# Altium PCB LimeSDR_Mini_1v1_Rounded.PcbDoc (part 2 of 5) (continued)
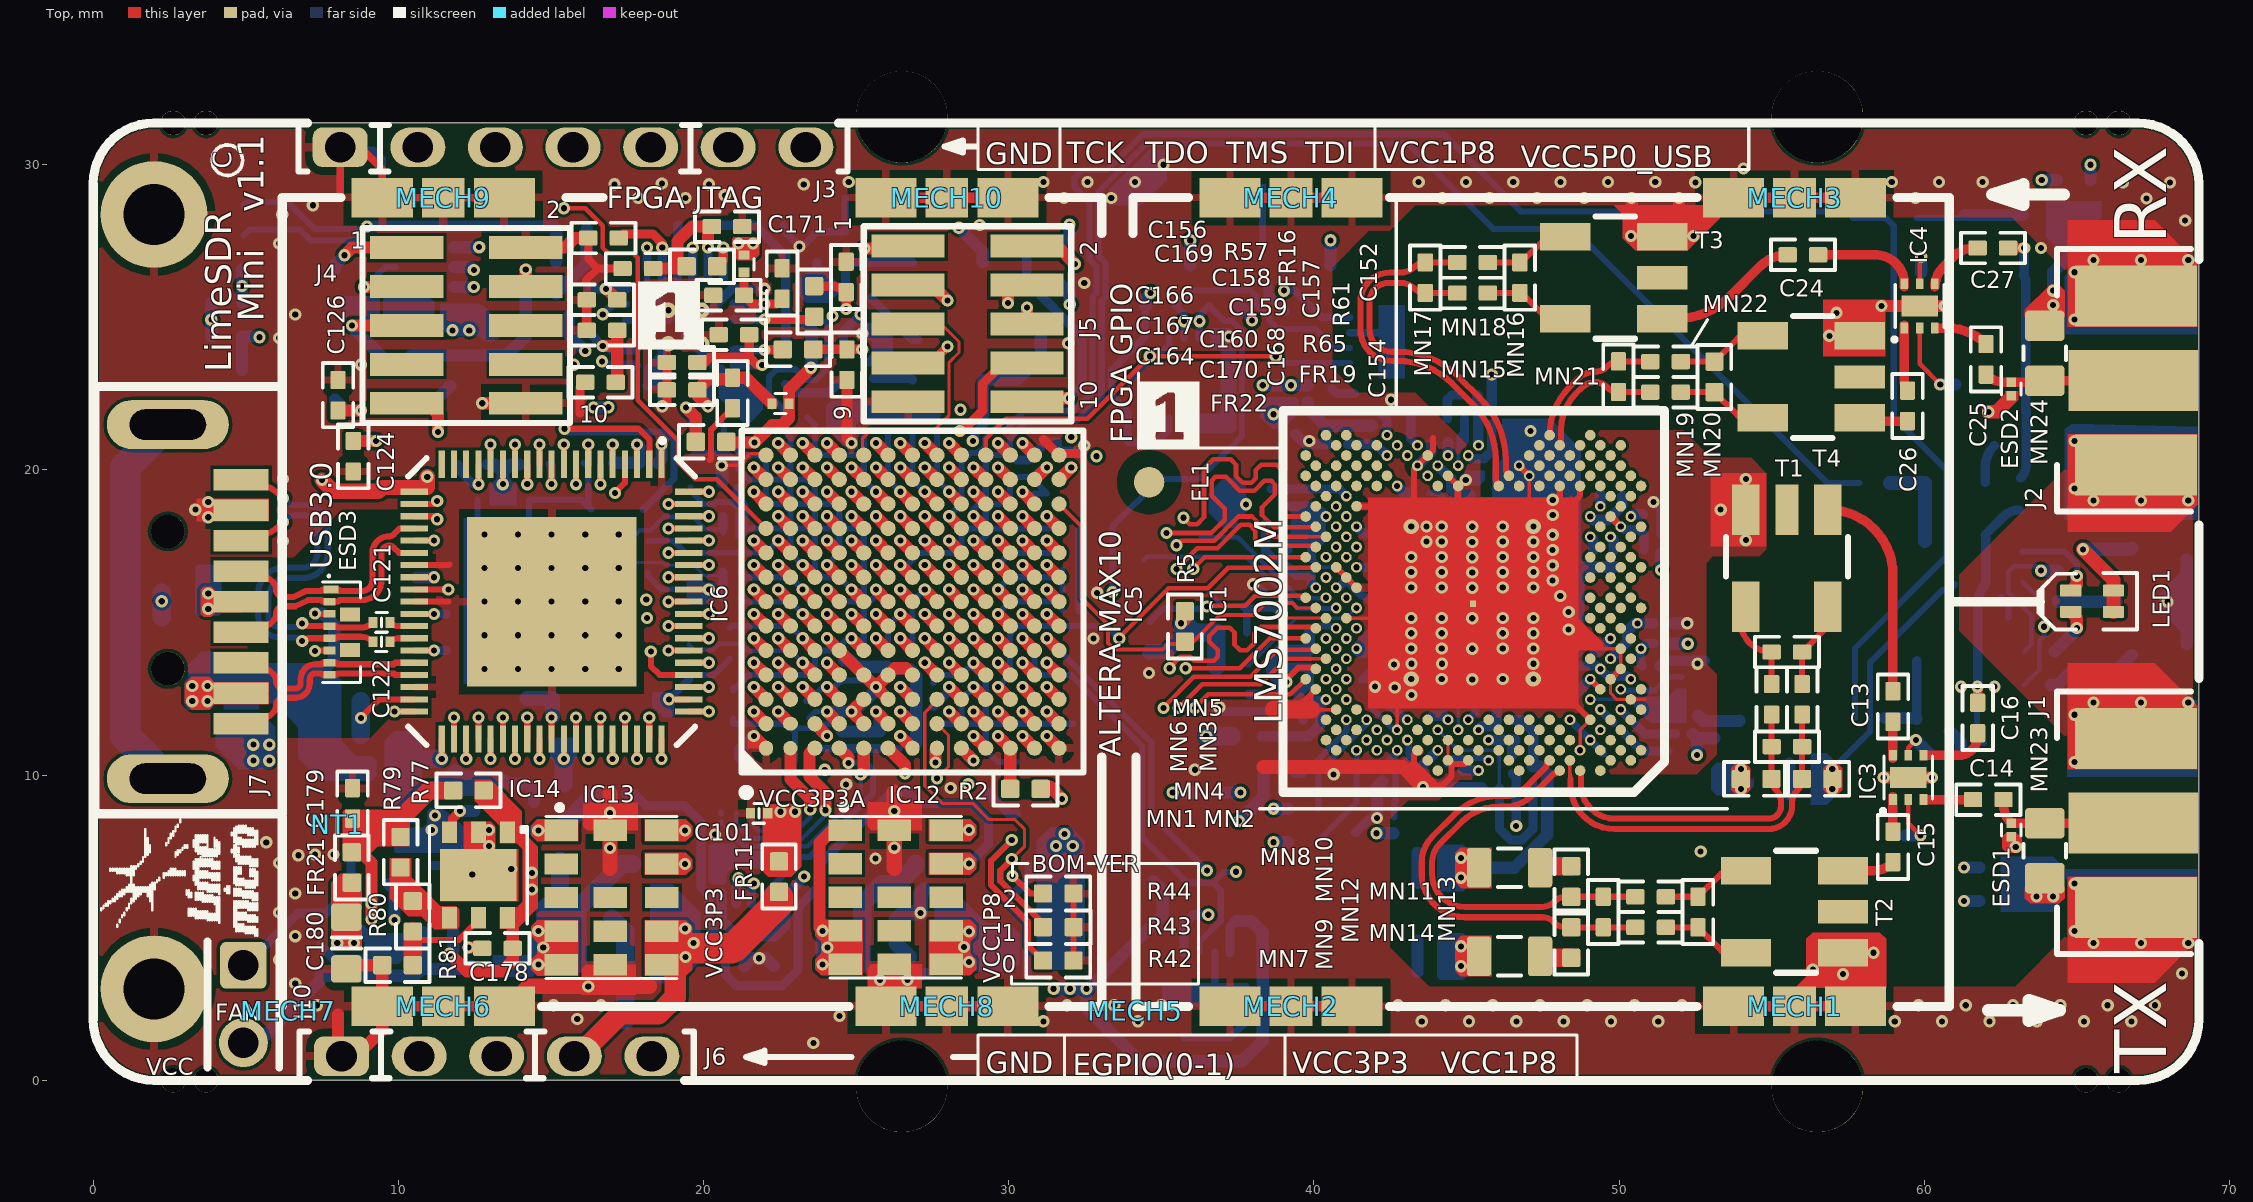
[diagram p0: Top view]
## Nets (pads, with @x,y where several pads share a name; then routed paths per layer and width w, separated by ;. In a path a pad name is that pad's centre, name@x,y a point inside that pad or via, vN(x,y) a via of type N, cw(c..) or ccw(c..) an arc to the next point about the centre after c; other vN are vias at no path point) (continued)
  Bottom w0.2: R46.2@20.675,21.475 20.675,21.065 21.255,20.485 21.816,20.485 22.05,20.251 22.05,19.919 22.284,19.685 22.616,19.685 22.85,19.451 22.85,19.119 23.084,18.885 23.416,18.885 23.65,18.651 23.65,18.275 23.84,18.085 24.216,18.085 24.45,17.851 24.45,17.285 v2(24.05,16.885)
  Bottom w0.4: v1(63.825,16.7) R73.2@64.375,16.7
FPGA_LED_R: IC5.B9 R45.2 R72.2 R75.2 | length 77.9
  Top w0.4: v2(22.45,17.685) IC5.B9@22.85,17.285
  L4 w0.1: v1(32.875,20.45) 34.308,20.45 38.308,24.45 55.792,24.45 63.175,17.067 63.175,15.612 v1(63.925,14.863)
  L5 w0.1: v1(15.75,23.45) 16.25,22.95 17.05,22.95 17.55,22.45 17.55,22.15 18.25,21.45 18.725,21.45 19.3,20.875 19.3,19.425 19.8,18.925 20.675,18.925 21.45,18.15 21.985,18.15 v2(22.45,17.685)
  L6 w0.1: v1(15.75,23.45) 15.45,23.75 15.45,24.26 15.725,24.535 22.29,24.535 22.925,23.9 23.825,23.9 24.35,23.375 24.35,22.925 25,22.275 26.05,22.275 26.3,22.025 27.525,22.025 28.025,22.525 31.25,22.525 32.875,20.9 v1(32.875,20.45)
  Bottom w0.15: R72.2@63.225,16.325 63.775,15.775 63.775,15.325 63.925,15.175 v1(63.925,14.863) 63.925,14.55 63.775,14.4 63.775,13.461 R75.2@63.264,12.95
  Bottom w0.19: R45.2@18.175,17.65 18.205,17.68 19.014,17.68 19.409,17.285 22.05,17.285
  Bottom w0.2: 22.05,17.285 v2(22.45,17.685)
FPGA_QSPI_FLASH_SS: IC5.E1 IC11.1 | length 7.2
  Top w0.4: v1(25.15,10.019) 25.25,10.119 IC5.E1@25.25,10.885
  Bottom w0.15: IC11.1@20.575,8.492 20.575,8.417 21.317,7.675 23.408,7.675 25.15,9.417 v1(25.15,10.019)
  Bottom w0.2: IC11.1@20.575,8.75 IC11.1@20.575,8.775
FPGA_QSPI_IO0: IC5.D1 IC11.5 | length 7.5
  Top w0.4: IC5.D1@24.45,10.885 24.75,10.585 v1(24.75,10.4)
  Bottom w0.2: IC11.5@22.075,5.775 22.075,6.175 23.225,7.325 23.482,7.325 25.55,9.393 25.55,10.185 25.316,10.419 24.769,10.419 v1(24.75,10.4)
FPGA_QSPI_IO1: IC5.C1 IC11.2 | length 6.2
  Top w0.4: IC5.C1@23.65,10.885 23.475,10.71 23.475,9.95 24,9.425 v1@24,8.9
  Bottom w0.15: IC11.2@21.075,8.775 21.075,8.4 21.55,7.925 23.233,7.925 24,8.692 v1(24,8.85)
FPGA_QSPI_IO2: IC5.B1 IC11.3 | length 5.1
  Top w0.4: IC5.B1@22.85,10.885 22.85,9.868 23.5,9.218 v1(23.5,8.875)
  Bottom w0.15: IC11.3@21.575,8.775 21.575,8.4 21.8,8.175 23.059,8.175 23.5,8.616 v1(23.5,8.875)
FPGA_QSPI_IO3: IC5.H1 IC11.7 | length 10.6
  Top w0.4: v2@27.6,10.45 27.6,10.835 IC5.H1@27.65,10.885
  L4 w0.1: v1(21.15,6.625) 21.15,6.455 21.63,5.975 23.558,5.975 24.4,6.817 24.4,7.476 26.099,9.175 26.3,9.175 26.95,9.825 26.95,10.15 27.219,10.419 v2(27.6,10.419)
  Bottom w0.3: IC11.7@21.075,5.775 21.075,6.55 v1(21.15,6.625)
FPGA_QSPI_SCLK: IC5.F1 IC11.6 | length 8.9
  Top w0.4: IC5.F1@26.05,10.885 26.6,10.335 v1(26.6,10.05)
  L4 w0.1: v1(21.65,6.45) 21.925,6.175 23.475,6.175 24.2,6.9 24.2,7.559 26.6,9.959 v1(26.6,10.05)
  Bottom w0.3: IC11.6@21.575,5.775 21.575,6.375 v1(21.65,6.45)
FPGA_SPI_DAC_SS: IC5.K8 IC9.1 | length 26.8
  Top w0.4: v2(28.85,16.885) IC5.K8@29.25,16.485
  L4 w0.1: v1(12.65,27.3) 17.35,27.3 18.515,26.135 19.807,26.135 21.557,24.385 23.51,24.385 25.395,22.5 27.475,22.5 28,21.975 v1(28.425,21.975)
  L5 w0.1: v1(28.425,21.975) 29.15,21.975 30,21.125 30,20.74 30,20.675 29.775,20.45 29.425,20.45 29.25,20.275 29.25,19.875 29.05,19.675 28.65,19.675 28.45,19.475 28.45,17.525 28.85,17.125 v2(28.85,16.885)
  Bottom w0.4: IC9.1@11.825,27.3 v1(12.65,27.3)
FPGA_SPI_LMS_SS: IC5.J5 R9.2 | length 12.3
  Top w0.4: v2(28.05,14.485) IC5.J5@28.45,14.085
  L4 w0.1: v2(28.05,14.485) 28.435,14.1 28.93,14.1 29.225,13.805 29.225,11.1 29.95,10.375 34.428,10.375 v1(35.375,9.428)
  Bottom w0.4: v1(35.375,9.428) R9.2@36.1,9.428
FPGA_SPI_MISO: IC5.J6 R8.2 | length 18.3
  Top w0.4: v2(28.05,15.285) IC5.J6@28.45,14.885
  L4 w0.1: v2(28.05,15.285) 27.6,14.835 27.105,14.835 26.9,14.63 26.9,14.325 27.09,14.135 28.095,14.135 28.425,13.805 28.425,11.215 28.715,10.925 29.1,10.925 29.85,10.175 34.125,10.175 35.397,8.903 v1(38.675,8.903)
  Bottom w0.4: v1(38.675,8.903) R8.2@39.15,8.903
FPGA_SPI_MOSI: IC5.J7 IC9.3 R7.2 | length 77.1
  Top w0.4: v2(28.05,16.085) IC5.J7@28.45,15.685
  L4 w0.1: v2(28.05,16.085) 27.785,16.085 27.335,15.635 27.105,15.635 26.825,15.355 26.825,15.165 26.495,14.835 26.305,14.835 26.1,14.63 26.1,14.3 27.7,12.7 27.7,11.633 28.35,10.983 28.35,10.275 28.498,10.127 28.825,10.127 28.977,9.975 34.042,9.975 35.517,8.5 v1(37.55,8.5)
  L5 w0.1: v1(12.475,26) 11.284,26 10.125,24.841 10.125,22.295 8.925,21.095 8.925,20.733 9.475,20.183 9.475,13.066 9.471,13.066 8.425,12.02 8.425,11.7 9.475,10.65 9.475,9.957 10.1,9.332 10.1,7.814 10.664,7.25 13.2,7.25 13.4,7.45 14.75,7.45 14.95,7.25 17.925,7.25 18.35,7.675 21.21,7.675 22.91,5.975 26.05,5.975 27.45,4.575 27.45,3.875 28.15,3.175 28.975,3.175 30.725,4.925 30.725,7.955 31.495,8.725 37.325,8.725 v1(37.55,8.5)
  Bottom w0.4: IC9.3@11.825,26 v1(12.475,26) ; v1(37.55,8.5) 38.35,9.3 R7.2@38.35,10.003
FPGA_SPI_SCLK: IC5.K5 IC9.2 R6.2 | length 54.2
  Top w0.4: v2(28.85,14.485) IC5.K5@29.25,14.085
  L4 w0.1: v1(12.475,26.55) 13.362,25.662 13.362,25.188 15.725,22.825 17.408,22.825 18.1,22.133 18.1,21.8 18.45,21.45 20.3,21.45 21.15,22.3 27.355,22.3 28.03,21.625 29.405,21.625 30,21.03 30,20.74 29.795,20.535 29.605,20.535 29.2,20.13 29.2,19.14 28.995,18.935 28.805,18.935 28.5,18.63 28.5,18.44 28.095,18.035 27.905,18.035 27.6,17.73 27.6,16.74 27.395,16.535 27.205,16.535 26.8,16.13 26.8,15.94 26.595,15.735 26.385,15.735 26.1,15.45 26.1,15.24 25.695,14.835 25.505,14.835 25.3,14.63 25.3,14.34 25.515,14.125 25.992,14.125 27.5,12.617 27.5,11.55 28.15,10.9 28.15,10.125 28.575,9.7 v1(28.675,9.7) ; v1@28.782,9.775 33.959,9.775 35.932,7.803 v1(38.675,7.803)
  L5 w0.1: v1(28.675,9.7) 28.45,9.925 28.45,13.825 28.85,14.225 v2(28.85,14.485)
  Bottom w0.4: IC9.2@11.825,26.65 12.375,26.65 v1(12.475,26.55) ; v1(38.675,7.803) R6.2@39.15,7.803
FT_BE0: IC5.B11 IC6.4 | length 15.7
  Top w0.2: v1(17.1,19.25) 17.425,19.575 IC6.4@17.425,20.185
  Top w0.4: v2(22.45,19.285) IC5.B11@22.85,18.885
  L6 w0.1: v1(17.1,19.25) 17.1,18.7 16.55,18.15 16.55,16.45 16.7,16.3 17.925,16.3 18.1,16.475 18.1,19.196 18.539,19.635 19.307,19.635 20.372,20.7 20.95,20.7 21.215,20.435 22.595,20.435 22.8,20.23 22.8,19.635 v2(22.45,19.285)
FT_BE1: IC5.C12 IC6.5 | length 14.1
  Top w0.2: IC6.5@17.025,20.185 v1(17.025,20.835)
  Top w0.4: v2(23.25,20.085) IC5.C12@23.65,19.685
  L6 w0.1: v1(17.025,20.835) 16.9,20.835 16.45,20.385 16.45,20.175 16.525,20.1 17.028,20.1 17.628,19.5 17.839,19.5 18,19.661 18,20.475 18.175,20.65 18.315,20.65 18.525,20.44 18.525,20.125 18.615,20.035 18.86,20.035 18.975,20.15 18.975,20.95 19.125,21.1 19.275,21.1 19.425,20.95 19.425,20.75 19.55,20.625 19.732,20.625 19.875,20.768 19.875,20.962 20.013,21.1 20.9,21.1 21,21.2 21,21.517 21.083,21.6 22.95,21.6 23.05,21.5 23.05,21.18 22.875,21.005 22.875,20.46 v2(23.25,20.085)
FT_BE2: IC5.A12 IC6.6 | length 14.6
  Top w0.2: v1(16.625,19.535) IC6.6@16.625,20.185
  Top w0.4: v2(21.65,20.085) IC5.A12@22.05,19.685
  L6 w0.1: v1(16.625,19.535) 16.36,19.535 16.15,19.325 16.15,18.5 15.675,18.025 15.675,16.35 15.925,16.1 18.05,16.1 18.3,16.35 18.3,19.113 18.622,19.435 19.39,19.435 20.455,20.5 20.85,20.5 21.265,20.085 v2(21.65,20.085)
FT_BE3: IC5.B13 IC6.7 | length 15.6
  Top w0.2: IC6.7@16.225,20.185 v1(16.225,20.835)
  Top w0.4: v2(22.45,20.885) IC5.B13@22.85,20.485
  L6 w0.1: v1(16.225,20.835) 16.21,20.835 16.21,20.702 15.983,20.475 15.983,20.092 16.175,19.9 16.945,19.9 17.45,19.395 17.45,18.725 16.8,18.075 16.8,17.5 17.115,17.185 17.76,17.185 17.9,17.325 17.9,19.278 18.457,19.835 19.224,19.835 20.289,20.9 21.1,20.9 21.225,21.025 21.225,21.25 21.375,21.4 22.55,21.4 22.675,21.275 22.675,21.11 v2(22.45,20.885)
FT_CLK: IC5.G9 IC6.58 | length 14.5
  Top w0.2: IC6.58@19.525,12.085 v1(20.175,12.085)
  Top w0.4: v2(26.45,17.685) IC5.G9@26.85,17.285
  L5 w0.1: v1(20.175,12.085) 19.8,11.71 19.8,11.1 19.975,10.925 23.425,10.925 23.625,11.125 23.625,12.325 23.775,12.475 24.225,12.475 24.45,12.7 24.45,13.1 25.25,13.9 25.25,16.225 25.5,16.475 25.75,16.475 26.075,16.8 26.075,17.31 v2(26.45,17.685)
FT_D0: IC5.A2 IC6.40 | length 15.2
  Top w0.2: IC6.40@11.825,11.185 v1@11.825,11.835
  Top w0.4: v2(21.65,12.085) IC5.A2@22.05,11.685
  L4 w0.1: v1(11.825,11.885) 11.575,11.635 11.575,11.35 12.025,10.9 18.755,10.9 19.28,10.375 22.25,10.375 22.525,10.65 22.525,11.425 21.865,12.085 v2(21.65,12.085)
FT_D1: IC5.B6 IC6.41 | length 19.6
  Top w0.2: v1(12.225,10.535) IC6.41@12.225,11.185
  Top w0.4: v2(22.45,15.285) IC5.B6@22.85,14.885
  L4 w0.1: v1(12.225,10.535) 12.985,9.775 23.035,9.775 24.4,11.14 24.4,13.83 24.095,14.135 23.905,14.135 23.7,14.34 23.7,14.53 23.355,14.875 22.86,14.875 v2(22.45,15.285)
FT_D2: IC5.B3 IC6.42 | length 16
  Top w0.2: IC6.42@12.625,11.185 v1@12.625,11.835
  Top w0.4: v2(22.45,12.885) IC5.B3@22.85,12.485
  L4 w0.1: v1(12.625,11.885) 12.485,11.885 12.25,11.65 12.25,11.35 12.5,11.1 18.838,11.1 19.363,10.575 22.009,10.575 22.325,10.891 22.325,11.342 21.932,11.735 21.505,11.735 21.3,11.94 21.3,12.23 21.505,12.435 22,12.435 v2(22.45,12.885)
FT_D3: IC5.B5 IC6.43 | length 17
  Top w0.2: v1(13.025,10.535) IC6.43@13.025,11.185
  Top w0.4: v2(22.45,14.485) IC5.B5@22.85,14.085
  L4 w0.1: v1(13.025,10.535) 13.585,9.975 22.925,9.975 23.675,10.725 23.675,13.8 23.375,14.1 22.835,14.1 v2(22.45,14.485)
FT_D4: IC5.A3 IC6.44 | length 14.9
  Top w0.2: IC6.44@13.425,11.185 v1@13.425,11.835
  Top w0.4: v2(21.65,12.885) IC5.A3@22.05,12.485
  L4 w0.1: v1(13.425,11.885) 13.425,11.45 13.575,11.3 14.135,11.3 14.36,11.525 15.05,11.525 15.275,11.3 15.925,11.3 16.16,11.535 16.89,11.535 17.125,11.3 17.75,11.3 17.985,11.535 18.686,11.535 19.446,10.775 21.225,10.775 21.375,10.925 21.375,11.065 21.215,11.225 20.675,11.225 20.525,11.375 20.525,11.625 20.675,11.775 20.925,11.775 21.075,11.925 21.075,12.125 20.925,12.275 20.7,12.275 20.525,12.45 20.525,12.7 20.71,12.885 v2(21.65,12.885)
FT_D5: IC5.B4 IC6.45 | length 15.9
  Top w0.2: v1(13.825,10.535) IC6.45@13.825,11.185
  Top w0.4: v2(22.45,13.685) IC5.B4@22.85,13.285
  L4 w0.1: v1(13.825,10.535) 14.185,10.175 22.675,10.175 22.85,10.35 22.85,10.85 22.975,10.975 23.375,10.975 23.475,11.075 23.475,11.4 23.375,11.5 23.025,11.5 22.825,11.7 22.825,11.875 23.025,12.075 23.4,12.075 23.475,12.15 23.475,12.4 23.34,12.535 22.99,12.535 22.825,12.7 22.825,13.31 v2(22.45,13.685)
FT_D6: IC5.E6 IC6.46 | length 15.1
  Top w0.2: IC6.46@14.225,11.185 v1@14.225,11.835
  Top w0.4: v2(24.85,15.285) IC5.E6@25.25,14.885
  L4 w0.1: v1(14.225,11.885) 14.59,12.25 18.4,12.25 18.575,12.075 19.325,12.075 19.825,12.575 19.825,13.03 20.03,13.235 21.86,13.235 22.1,13.475 22.1,15.43 22.305,15.635 24.5,15.635 v2(24.85,15.285)
FT_D7: IC5.A4 IC6.47 | length 15.9
  Top w0.2: v1(14.625,10.535) IC6.47@14.625,11.185
  Top w0.4: v2(21.65,13.685) IC5.A4@22.05,13.285
  L6 w0.1: v1(14.625,10.535) 14.625,10.225 14.375,9.975 13.7,9.975 13.4,10.275 13.4,11.275 13.65,11.525 15.15,11.525 15.875,10.8 15.875,10.2 16.125,9.95 19.6,9.95 21.175,11.525 21.175,13.21 v2(21.65,13.685)
FT_D8: IC5.B12 IC6.50 | length 14.4
  Top w0.2: IC6.50@15.825,11.185 v1@15.825,11.835
  Top w0.4: v2(22.45,20.085) IC5.B12@22.85,19.685
  L6 w0.1: v1(15.825,11.885) 15.825,12.55 16.525,13.25 16.525,13.854 16.856,14.185 17.76,14.185 18.5,14.925 18.5,19.03 18.705,19.235 19.63,19.235 20.03,19.635 22,19.635 v2(22.45,20.085)
FT_D9: IC5.H8 IC6.51 | length 18.2
  Top w0.2: v1(16.225,10.535) IC6.51@16.225,11.185
  Top w0.4: v2(27.25,16.885) IC5.H8@27.65,16.485
  L6 w0.1: v1(16.225,10.535) 16.59,10.9 19.701,10.9 20.575,11.774 20.575,13.766 20.9,14.091 20.9,15.03 21.555,15.685 23.345,15.685 23.65,15.38 23.65,15.11 23.825,14.935 24.195,14.935 24.5,15.24 24.5,15.43 24.755,15.685 25.01,15.685 25.275,15.95 25.275,16.205 25.545,16.475 25.825,16.475 26.025,16.675 26.025,17.1 26.2,17.275 26.86,17.275 v2(27.25,16.885)
FT_D10: IC5.E9 IC6.52 | length 16.2
  Top w0.2: IC6.52@16.625,11.185 v1@16.625,11.835
  Top w0.4: v2(24.85,17.685) IC5.E9@25.25,17.285
  L6 w0.1: v1(16.625,11.885) 17.175,11.335 19.368,11.335 19.575,11.542 19.575,13.58 20.13,14.135 20.32,14.135 20.6,14.415 20.6,15.53 21.505,16.435 23.49,16.435 23.65,16.275 23.65,15.875 23.84,15.685 24.26,15.685 24.425,15.85 24.425,16.21 24.69,16.475 25.05,16.475 25.275,16.7 25.275,17.05 24.85,17.475
FT_D11: IC5.B2 IC6.53 | length 17.5
  Top w0.2: v1(17.025,10.535) IC6.53@17.025,11.185
  Top w0.4: v2(22.45,12.085) IC5.B2@22.85,11.685
  L5 w0.1: v1(17.025,10.535) 17.025,10.075 16.825,9.875 13.575,9.875 13.425,10.025 13.425,10.725 13.585,10.885 15.01,10.885 15.4,11.275 15.4,12.625 15.625,12.85 19.375,12.85 19.75,12.475 20.75,12.475 21.575,11.65 22.015,11.65 v2(22.45,12.085)
FT_D12: IC5.D9 IC6.54 | length 16.4
  Top w0.2: IC6.54@17.425,11.185 v1@17.425,11.835
  Top w0.4: v2(24.05,17.685) IC5.D9@24.45,17.285
  L6 w0.1: v1(17.425,11.885) 17.425,11.675 17.565,11.535 18.985,11.535 19.15,11.7 19.15,12.01 19.025,12.135 18.64,12.135 18.35,12.425 18.35,12.75 18.535,12.935 19.21,12.935 19.375,13.1 19.375,13.667 19.803,14.095 19.803,16.208 20.03,16.435 21.11,16.435 21.3,16.625 21.3,17.05 21.5,17.25 23.4,17.25 23.65,17 23.65,16.625 23.8,16.475 24.225,16.475 24.4,16.65 24.4,17.335 v2(24.05,17.685)
FT_D13: IC5.J9 IC6.55 | length 18.2
  Top w0.2: v1(17.825,10.535) IC6.55@17.825,11.185
  Top w0.4: v2(28.05,17.685) IC5.J9@28.45,17.285
  L6 w0.1: v1(17.825,10.535) 18.21,10.15 19.517,10.15 20.975,11.608 20.975,13.6 21.475,14.1 23.4,14.1 23.675,13.825 23.675,13.5 23.85,13.325 24.185,13.325 25.3,14.44 25.3,14.63 25.595,14.925 25.875,14.925 26.05,15.1 26.05,15.4 26.335,15.685 27.345,15.685 27.7,16.04 27.7,16.23 27.97,16.5 28.25,16.5 28.425,16.675 28.425,17.31 v2(28.05,17.685)
FT_D14: IC5.A9 IC6.56 | length 15
  Top w0.2: IC6.56@18.225,11.185 v1@18.225,11.835
  Top w0.4: v2(21.65,17.685) IC5.A9@22.05,17.285
  L6 w0.1: v1(18.225,11.885) 17.86,12.25 16.35,12.25 16.2,12.4 16.2,12.625 16.4,12.825 16.75,12.825 16.925,13 16.925,13.2 16.725,13.4 16.725,13.771 16.939,13.985 17.49,13.985 17.725,13.75 17.725,13.2 17.9,13.025 18.25,13.025 18.45,13.225 18.45,13.55 18.635,13.735 19.16,13.735 19.603,14.178 19.603,15.218 19.6,15.221 19.6,17.15 19.75,17.3 20.3,17.3 20.685,17.685 v2(21.65,17.685)
FT_D15: IC5.H9 IC6.57 | length 16.6
  Top w0.2: v1(18.625,10.535) IC6.57@18.625,11.185
  Top w0.4: v2(27.25,17.685) IC5.H9@27.65,17.285
  L6 w0.1: v1(18.625,10.535) 19.619,10.535 20.775,11.691 20.775,13.683 21.175,14.083 21.175,14.505 21.505,14.835 23.395,14.835 23.625,14.605 23.625,14.235 23.825,14.035 24.095,14.035 24.5,14.44 24.5,14.63 24.705,14.835 24.895,14.835 25.3,15.24 25.3,15.43 25.555,15.685 25.91,15.685 26.075,15.85 26.075,16.225 26.325,16.475 27.335,16.475 27.625,16.765 27.625,17.31 v2(27.25,17.685)
FT_D16: IC5.A7 IC6.60 | length 14.4
  Top w0.2: IC6.60@19.525,12.885 v1(20.175,12.885)
  Top w0.4: v2(21.65,16.085) IC5.A7@22.05,15.685
  L5 w0.1: v1(20.175,12.885) 20.175,13.075 20.55,13.45 20.975,13.45 21.3,13.125 21.3,12.74 21.505,12.535 22.525,12.535 22.8,12.26 22.8,11.525 23,11.325 23.25,11.325 23.425,11.5 23.425,12.5 23.7,12.775 23.7,13.067 23.868,13.235 24.185,13.235 24.4,13.45 24.4,15.45 24.165,15.685 23.955,15.685 23.7,15.94 23.7,16.13 23.355,16.475 22.04,16.475 v2(21.65,16.085)
FT_D17: IC5.F8 IC6.61 | length 15.7
  Top w0.2: v1(18.275,14.05) 18.275,13.575 18.565,13.285 18.875,13.285 IC6.61@19.525,13.285
  Top w0.4: v2(25.65,16.885) IC5.F8@26.05,16.485
  L4 w0.1: v1(18.275,14.05) 17.825,14.05 17.625,13.85 17.625,13.325 17.85,13.1 19.075,13.1 19.525,13.55 19.525,14.725 19.675,14.875 20.363,14.875 20.55,14.688 20.55,14.475 20.675,14.35 20.875,14.35 21.075,14.55 21.075,16.075 21.45,16.45 25.5,16.45 25.65,16.6 v2(25.65,16.885)
FT_D18: IC5.A6 IC6.62 | length 14.4
  Top w0.2: IC6.62@19.525,13.685 v1(20.175,13.685)
  Top w0.4: v2(21.65,15.285) IC5.A6@22.05,14.885
  L5 w0.1: v1(20.175,13.685) 20.235,13.685 20.4,13.85 20.975,13.85 21.59,13.235 23.585,13.235 23.7,13.35 23.7,15.55 23.515,15.735 23.11,15.735 22.875,15.5 22.875,14.415 22.595,14.135 21.505,14.135 20.525,15.115 20.525,15.775 20.675,15.925 20.884,15.925 21.524,15.285 v2(21.65,15.285)
FT_D19: IC5.E10 IC6.63 | length 14.4
  Top w0.2: v1@18.875,14.085 IC6.63@19.525,14.085
  Top w0.4: v2(24.85,18.485) IC5.E10@25.25,18.085
  L6 w0.1: v1(18.85,14.085) 19.21,14.085 19.403,14.278 19.403,15.135 19.4,15.138 19.4,17.675 19.8,18.075 20.35,18.075 20.525,18.25 20.525,18.857 20.718,19.05 20.875,19.05 20.975,18.95 20.975,18.05 21.14,17.885 21.355,17.885 21.5,18.03 21.5,18.575 21.625,18.7 21.95,18.7 22.1,18.55 22.1,18.275 22.25,18.125 23.5,18.125 23.675,18.3 23.675,18.7 23.9,18.925 24.41,18.925 v2(24.85,18.485)
FT_D20: IC5.A5 IC6.64 | length 14.4
  Top w0.2: IC6.64@19.525,14.485 v1(20.175,14.485)
  Top w0.4: v2(21.65,14.485) IC5.A5@22.05,14.085
  L5 w0.1: v1(20.175,14.485) 19.965,14.275 19.525,14.275 19.2,14.6 19.2,15.925 19.35,16.075 19.65,16.075 19.8,16.225 19.8,16.7 19.665,16.835 18.215,16.835 17.975,17.075 17.975,17.525 18.175,17.725 19.625,17.725 20.025,17.325 20.975,17.325 21.15,17.15 21.15,15.942 21.357,15.735 21.865,15.735 22.1,15.5 22.1,14.935 v2(21.65,14.485)
FT_D21: IC5.F9 IC6.65 | length 14.8
  Top w0.2: v1@18.875,14.885 IC6.65@19.525,14.885
  Top w0.4: v2(25.65,17.685) IC5.F9@26.05,17.285
  L6 w0.1: v1(18.85,14.885) 19.06,14.885 19.2,15.025 19.2,18.2 19.925,18.925 20.31,18.925 20.685,19.3 21.14,19.3 21.54,18.9 23.45,18.9 23.7,19.15 23.7,19.475 23.9,19.675 25.8,19.675 26.025,19.45 26.025,17.96 25.75,17.685 v2(25.65,17.685)
FT_D22: IC5.E8 IC6.66 | length 17.2
  Top w0.2: IC6.66@19.525,15.285 v1(20.175,15.285)
  Top w0.4: v2(24.85,16.885) IC5.E8@25.25,16.485
  L5 w0.1: v1(20.175,15.285) 20.175,15.182 20.525,14.832 20.525,14.34 20.22,14.035 19.44,14.035 18.94,14.535 18.705,14.535 18.5,14.74 18.5,15.15 18.5,16.25 17.775,16.975 17.775,17.775 18.45,18.45 19.025,18.45 19.44,18.035 20.69,18.035 21.39,17.335 23.51,17.335 23.7,17.525 23.7,17.86 23.875,18.035 24.195,18.035 24.4,17.83 24.4,17.335 v2(24.85,16.885)
FT_D23: IC5.A8 IC6.67 | length 14.6
  Top w0.2: v1@18.875,15.685 IC6.67@19.525,15.685
  Top w0.4: v2(21.65,16.885) IC5.A8@22.05,16.485
  L4 w0.1: v1(18.85,15.685) 18.5,16.035 18.5,18.55 18.375,18.675 17.825,18.675 17.625,18.475 17.625,14.7 17.89,14.435 19.135,14.435 19.325,14.625 19.325,15.425 19.585,15.685 20.402,15.685 21.602,16.885 v2(21.65,16.885)
FT_D24: IC5.K11 IC6.69 | length 14.9
  Top w0.2: v1@18.875,16.485 IC6.69@19.525,16.485
  Top w0.4: v2(28.85,19.285) IC5.K11@29.25,18.885
  L4 w0.1: v1(18.85,16.485) 18.85,16.275 19.1,16.025 19.62,16.025 20.08,16.485 20.919,16.485 21.3,16.866 21.3,17.03 21.595,17.325 25.825,17.325 26,17.15 26,16.6 26.165,16.435 26.66,16.435 26.9,16.675 26.9,17.9 27.1,18.1 27.36,18.1 27.6,18.34 27.6,18.53 27.905,18.835 28.4,18.835 v2(28.85,19.285)
FT_D25: IC5.K12 IC6.70 | length 15.1
  Top w0.2: IC6.70@19.525,16.885 v1(20.175,16.885)
  Top w0.4: v2(28.85,20.085) IC5.K12@29.25,19.685
  L4 w0.1: v1(20.175,16.885) 20.375,16.685 20.836,16.685 21.1,16.949 21.1,17.15 20.95,17.3 20.95,17.66 21.5,18.21 21.5,18.7 21.7,18.9 21.975,18.9 22.1,18.775 22.1,18.26 22.31,18.05 22.625,18.05 22.8,18.225 22.8,18.725 22.975,18.9 23.425,18.9 23.625,18.7 23.625,18.275 23.825,18.075 26.65,18.075 26.8,18.225 26.8,18.53 27.105,18.835 27.485,18.835 27.6,18.95 27.6,19.33 27.905,19.635 28.685,19.635 28.85,19.8 v2(28.85,20.085)
FT_D26: IC5.J12 IC6.71 | length 15.8
  Top w0.2: v1@18.875,17.285 IC6.71@19.525,17.285
  Top w0.4: v2(28.05,20.085) IC5.J12@28.45,19.685
  L4 w0.1: v1(18.85,17.285) 19.2,16.935 19.2,16.475 19.375,16.3 19.575,16.3 19.825,16.55 19.825,17.03 20.08,17.285 20.585,17.285 20.75,17.45 20.75,17.765 21.3,18.315 21.3,19.475 21.5,19.675 21.85,19.675 22.05,19.475 22.05,19.135 22.25,18.935 22.66,18.935 22.875,19.15 22.875,19.5 23.075,19.7 23.475,19.7 23.625,19.55 23.625,19.135 23.825,18.935 26.595,18.935 26.8,19.14 26.8,19.375 27.16,19.735 27.7,19.735 v2(28.05,20.085)
FT_D27: IC5.G12 IC6.72 | length 16.8
  Top w0.2: IC6.72@19.525,17.685 v1(20.175,17.685)
  Top w0.4: v2(26.45,20.085) IC5.G12@26.85,19.685
  L4 w0.1: v1(20.175,17.685) 20.387,17.685 21.1,18.398 21.1,19.8 21.275,19.975 21.275,21.011 21.564,21.3 21.875,21.3 22.025,21.15 22.025,19.9 22.25,19.675 22.7,19.675 22.85,19.825 22.85,21.15 23,21.3 23.45,21.3 23.625,21.125 23.625,19.9 23.825,19.7 24.325,19.7 24.45,19.825 24.45,21.15 24.6,21.3 25.075,21.3 25.25,21.125 25.25,20.725 25.44,20.535 25.957,20.535 26.407,20.085 v2(26.45,20.085)
FT_D28: IC5.L13 IC6.73 | length 17.1
  Top w0.2: v1@18.875,18.085 IC6.73@19.525,18.085
  Top w0.4: v2(29.65,20.885) IC5.L13@30.05,20.485
  L4 w0.1: v1(18.85,18.085) 19.2,18.435 19.2,18.952 19.411,19.164 19.636,19.164 19.825,18.975 19.825,18.34 20.065,18.1 20.308,18.1 20.85,18.642 20.85,19.833 21.05,20.033 21.05,21.069 21.481,21.5 25.65,21.5 26.1,21.05 26.1,20.675 26.275,20.5 29.265,20.5 v2(29.65,20.885)
FT_D29: IC5.G13 IC6.74 | length 15
  Top w0.2: IC6.74@19.525,18.485 v1(20.175,18.485)
  Top w0.4: v2(26.45,20.885) IC5.G13@26.85,20.485
  L4 w0.1: v1(20.175,18.485) 20.41,18.485 20.65,18.725 20.65,19.305 20.25,19.705 20.25,20.325 20.1,20.475 19.625,20.475 19.475,20.325 19.475,19.835 19.215,19.575 18.95,19.575 18.775,19.75 18.775,20.192 19.433,20.85 20.549,20.85 21.399,21.7 25.85,21.7 26.45,21.1 v2(26.45,20.885)
FT_D30: IC5.J13 IC6.75 | length 15.3
  Top w0.2: v1@18.875,18.885 IC6.75@19.525,18.885
  Top w0.4: v2(28.05,20.885) IC5.J13@28.45,20.485
  L4 w0.1: v1(18.85,18.885) 18.365,18.885 17.825,19.425 17.825,19.775 18.225,20.175 18.225,21.075 18.4,21.25 20.383,21.25 21.233,22.1 27.272,22.1 28.05,21.322 v2(28.05,20.885)
FT_D31: IC5.H13 IC6.76 | length 15.1
  Top w0.2: IC6.76@19.525,19.285 v1(20.175,19.285)
  Top w0.4: v2(27.25,20.885) IC5.H13@27.65,20.485
  L4 w0.1: v1(20.175,19.285) 20.175,19.497 19.972,19.7 19.625,19.7 19.175,19.25 18.775,19.25 18.575,19.45 18.575,20.275 19.35,21.05 20.466,21.05 21.316,21.9 27.189,21.9 27.773,21.317 27.773,21.123 27.535,20.885 v2(27.25,20.885)
FT_OEN: IC5.F12 IC6.13 | length 16
  Top w0.2: IC6.13@13.825,20.185 v1(13.825,20.835)
  Top w0.4: v2(25.65,20.085) IC5.F12@26.05,19.685
  L6 w0.1: v1(13.825,20.835) 15.665,22.675 23.139,22.675 23.214,22.6 23.431,22.6 24.581,21.45 25.083,21.45 25.28,21.253 25.822,21.253 26,21.075 26,20.435 v2(25.65,20.085)
FT_RDN: IC5.D12 IC6.12 | length 15
  Top w0.2: v1(14.225,19.535) IC6.12@14.225,20.185
  Top w0.4: v2(24.05,20.085) IC5.D12@24.45,19.685
  L6 w0.1: v1(14.225,19.535) 15.025,20.335 15.025,21.45 15.275,21.7 20.26,21.7 20.76,22.2 23.266,22.2 24.5,20.966 24.5,20.25 24.335,20.085 v2(24.05,20.085)
FT_RESETN: C127.1 IC5.L12 IC6.15 R55.1 | length 34.9
  Top w0.2: IC6.15@13.025,20.185 v1(13.025,20.835)
  Top w0.4: v2(29.65,20.085) IC5.L12@30.05,19.685
  L4 w0.1: v1(5.45,24.35) 5.45,24.975 7.86,27.385 8.38,27.385 9.225,26.54 9.225,25.075 10.9,23.4 10.9,22.96 v1(13.025,20.835)
  L6 w0.1: v1(13.025,20.835) 15.265,23.075 23.305,23.075 23.38,23 23.597,23 24.747,21.85 25.249,21.85 25.446,21.653 25.988,21.653 26.191,21.45 27.225,21.45 27.65,21.025 27.65,20.725 27.85,20.525 29.2,20.525 29.64,20.085 v2(29.65,20.085)
  Bottom w0.4: C127.1@4.875,23.275 C127.1@4.875,23.325 R55.1@4.875,24.375 5.425,24.375 v1(5.45,24.35)
FT_RXFN: IC5.C11 IC6.9 | length 12.5
  Top w0.2: IC6.9@15.425,20.185 v1(15.425,20.835)
  Top w0.4: v2(23.25,19.285) IC5.C11@23.65,18.885
  L6 w0.1: v1(15.425,20.835) 15.447,20.835 16.112,21.5 20.375,21.5 20.875,22 23.183,22 23.65,21.533 23.65,19.708 23.25,19.308 v2(23.25,19.285)
FT_SIWUN: IC6.10 R53.1 | length 1.3
  Top w0.2: v1(15.025,19.535) IC6.10@15.025,20.185
  Bottom w0.3: R53.1@14.975,20.175 15.025,20.125 v1(15.025,19.535)
FT_TXEN: IC5.C13 IC6.8 | length 14.8
  Top w0.2: v1(15.825,19.535) IC6.8@15.825,20.185
  Top w0.4: v2(23.25,20.885) IC5.C13@23.65,20.485
  L6 w0.1: v1@15.8,19.56 15.8,19.535 15.8,18.775 15.55,18.525 14.95,18.525 14.625,18.85 14.625,19.652 15.38,20.408 15.633,20.408 15.8,20.575 15.8,20.905 16.195,21.3 20.5,21.3 21,21.8 23.1,21.8 23.25,21.65 v2(23.25,20.885)